# KiCad board diff-probe-x4-v2.kicad_pcb
date: mar. 31 mars 2015
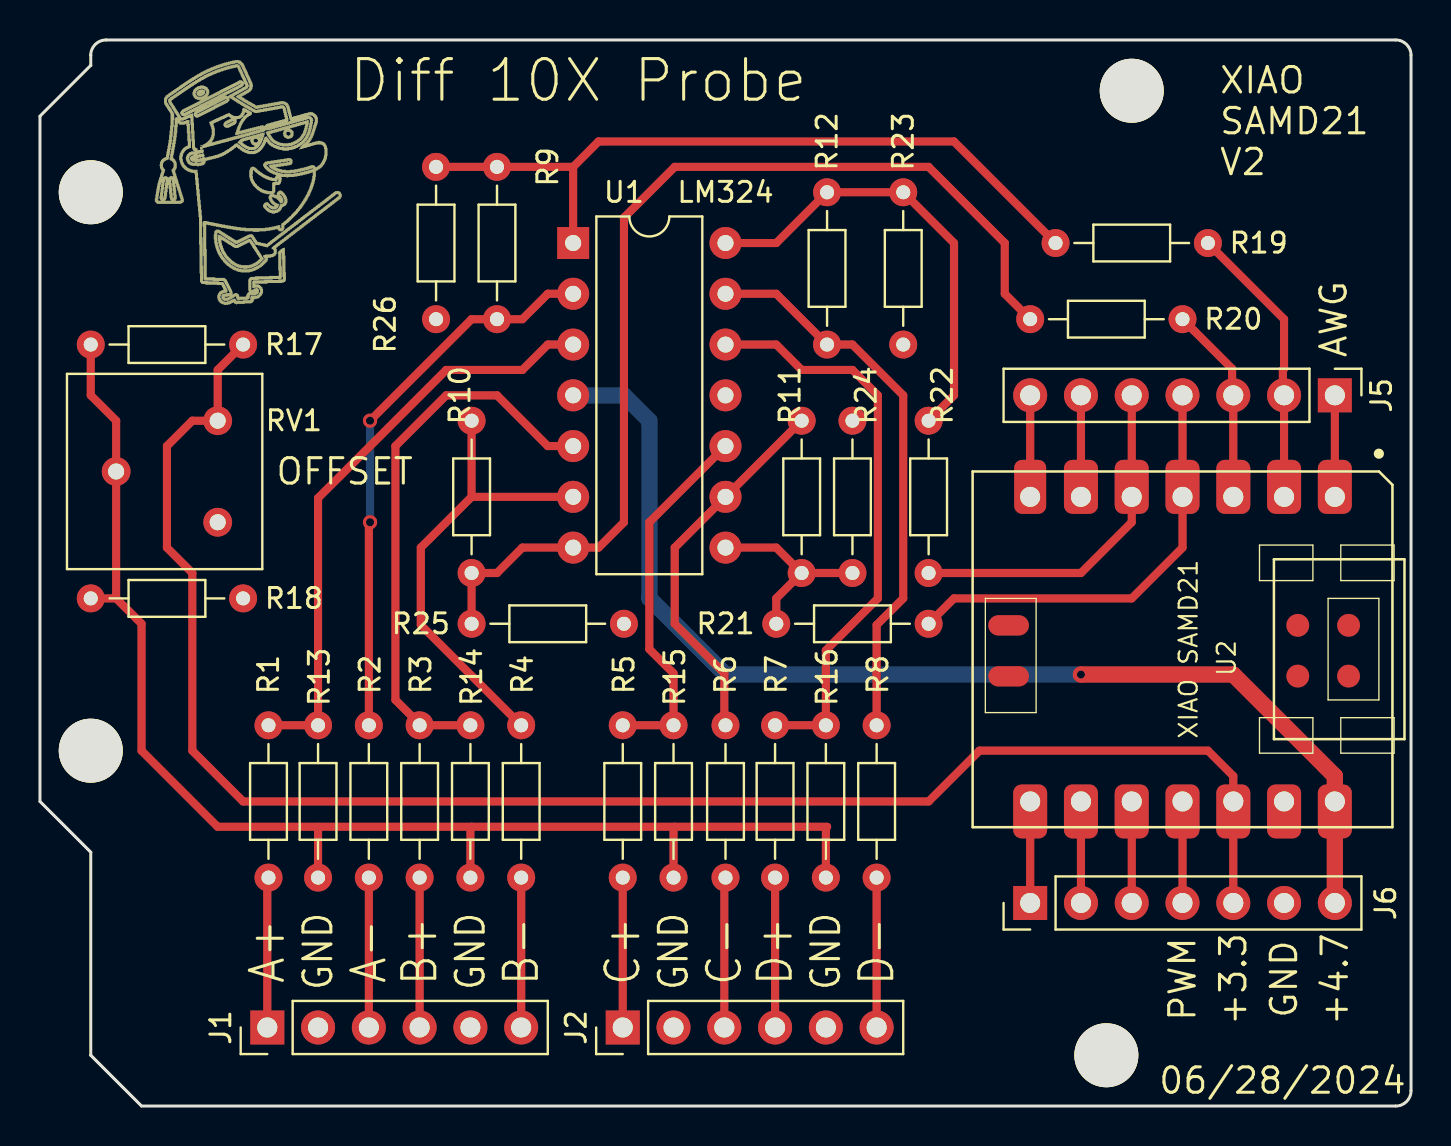
[diagram p0: board, top side]
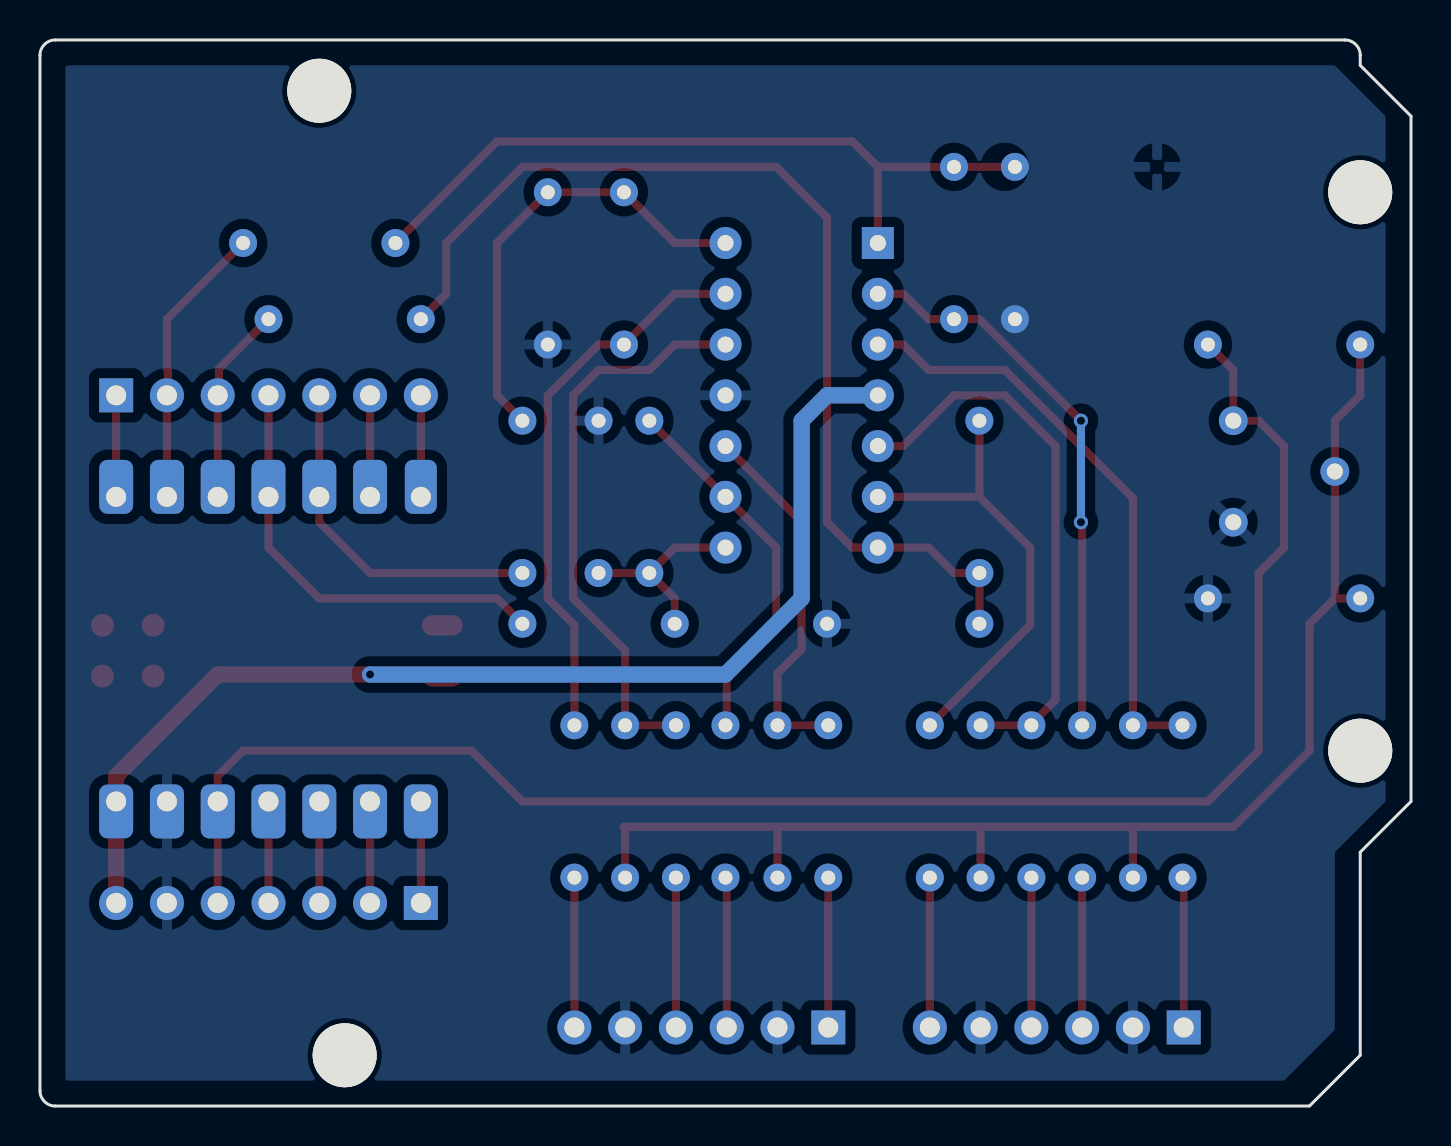
[diagram p1: board, bottom side, seen from below]

Outline 68.58 x 53.34 mm; copper layers: Top, Bottom. Coordinates in mm from the lower left corner of the outline.
Outline path: 0,49.53 2.54,52.07 2.54,52.58 arc(2.76,53.12) 3.3,53.34 67.82,53.34 arc(68.36,53.12) 68.58,52.58 68.58,0.76 arc(68.36,0.22) 67.82,0 5.08,0 2.54,2.54 2.54,12.7 0,15.24 0,49.53
Stack: Top 0.035mm / dielectric 1.51mm FR4 er 4.5 / Bottom 0.035mm

## Placement (name value [footprint] x y rotation side)
J1  Conn_01x06_Pin  [PinHeader_1x06_P2.54mm_Vertical]  11.37 3.93 90 top
J2  Conn_01x06_Pin  [PinHeader_1x06_P2.54mm_Vertical]  29.15 3.93 90 top
J5  Conn_01x07_Pin  [PinHeader_1x07_P2.54mm_Vertical]  64.77 35.56 270 top
J6  Conn_01x07_Pin  [PinHeader_1x07_P2.54mm_Vertical]  49.53 10.16 90 top
MH1  -  [MountingHole_3.2mm]  53.34 2.54 180 top
MH2  -  [MountingHole_3.2mm]  54.61 50.8 180 top
MH3  -  [MountingHole_3.2mm]  2.54 17.78 180 top
MH4  -  [MountingHole_3.2mm]  2.54 45.72 180 top
NOREF  -  [Proffessor]  10.16 38.1 0 top
R1  1Meg  [R_Axial_DIN0204_L3.6mm_D1.6mm_P7.62mm_Horizontal]  11.43 19.05 270 top
R2  1Meg  [R_Axial_DIN0204_L3.6mm_D1.6mm_P7.62mm_Horizontal]  16.45 19.05 270 top
R3  1Meg  [R_Axial_DIN0204_L3.6mm_D1.6mm_P7.62mm_Horizontal]  18.99 19.05 270 top
R4  1Meg  [R_Axial_DIN0204_L3.6mm_D1.6mm_P7.62mm_Horizontal]  24.07 19.05 270 top
R5  1Meg  [R_Axial_DIN0204_L3.6mm_D1.6mm_P7.62mm_Horizontal]  29.15 19.05 270 top
R6  1Meg  [R_Axial_DIN0204_L3.6mm_D1.6mm_P7.62mm_Horizontal]  34.29 19.05 270 top
R7  1Meg  [R_Axial_DIN0204_L3.6mm_D1.6mm_P7.62mm_Horizontal]  36.77 19.05 270 top
R8  1Meg  [R_Axial_DIN0204_L3.6mm_D1.6mm_P7.62mm_Horizontal]  41.85 19.05 270 top
R9  100k  [R_Axial_DIN0204_L3.6mm_D1.6mm_P7.62mm_Horizontal]  22.86 46.99 270 top
R10  100k  [R_Axial_DIN0204_L3.6mm_D1.6mm_P7.62mm_Horizontal]  21.59 26.67 90 top
R11  100k  [R_Axial_DIN0204_L3.6mm_D1.6mm_P7.62mm_Horizontal]  38.1 26.67 90 top
R12  100k  [R_Axial_DIN0204_L3.6mm_D1.6mm_P7.62mm_Horizontal]  39.37 45.72 270 top
R13  100k  [R_Axial_DIN0204_L3.6mm_D1.6mm_P7.62mm_Horizontal]  13.91 11.43 90 top
R14  100k  [R_Axial_DIN0204_L3.6mm_D1.6mm_P7.62mm_Horizontal]  21.53 11.43 90 top
R15  100k  [R_Axial_DIN0204_L3.6mm_D1.6mm_P7.62mm_Horizontal]  31.69 11.43 90 top
R16  100k  [R_Axial_DIN0204_L3.6mm_D1.6mm_P7.62mm_Horizontal]  39.31 11.43 90 top
R17  100  [R_Axial_DIN0204_L3.6mm_D1.6mm_P7.62mm_Horizontal]  10.16 38.1 180 top
R18  100  [R_Axial_DIN0204_L3.6mm_D1.6mm_P7.62mm_Horizontal]  2.54 25.4 0 top
R19  220  [R_Axial_DIN0204_L3.6mm_D1.6mm_P7.62mm_Horizontal]  58.42 43.18 180 top
R20  220  [R_Axial_DIN0204_L3.6mm_D1.6mm_P7.62mm_Horizontal]  57.15 39.37 180 top
R21  220  [R_Axial_DIN0204_L3.6mm_D1.6mm_P7.62mm_Horizontal]  44.45 24.13 180 top
R22  220  [R_Axial_DIN0204_L3.6mm_D1.6mm_P7.62mm_Horizontal]  44.45 26.67 90 top
R23  510  [R_Axial_DIN0204_L3.6mm_D1.6mm_P7.62mm_Horizontal]  43.18 45.72 270 top
R24  510  [R_Axial_DIN0204_L3.6mm_D1.6mm_P7.62mm_Horizontal]  40.64 26.67 90 top
R25  510  [R_Axial_DIN0204_L3.6mm_D1.6mm_P7.62mm_Horizontal]  21.59 24.13 0 top
R26  510  [R_Axial_DIN0204_L3.6mm_D1.6mm_P7.62mm_Horizontal]  19.81 46.99 270 top
RV1  500  [Potentiometer_Bourns_3386F_Vertical]  8.89 34.29 180 top
U1  LM324  [DIP-14_W7.62mm]  26.67 43.18 0 top
U2  XIAO SAMD21  [XIAO-MOUDLE14P-SMD-TH]  46.65 31.75 270 top

## Library data of the parts
J1 J2 = -: Description: Generic connector, single row, 01x06, script generated
J5 J6 = -: Description: Generic connector, single row, 01x07, script generated
R1-R26 = -: Description: Resistor, US symbol
RV1 = -: Description: Potentiometer, US symbol
U1 = -: Description: Low-Power, Quad-Operational Amplifiers, DIP-14/SOIC-14/SSOP-14

## Footprints (pads in the part's own frame, mm; a bottom-side part is the same pattern mirrored in y, then rotated)
DIP-14_W7.62mm
  rect 1.6x1.6 hole 0.8: 1(0,0)
  oval 1.6x1.6 hole 0.8: 2(0,-2.54) 3(0,-5.08) 4(0,-7.62) 5(0,-10.16) 6(0,-12.7) 7(0,-15.24) 8(7.62,-15.24) 9(7.62,-12.7) 10(7.62,-10.16) 11(7.62,-7.62) 12(7.62,-5.08) 13(7.62,-2.54) 14(7.62,0)
MountingHole_3.2mm
  round 3.2 hole 3.2 unplated: (0,0)
PinHeader_1x06_P2.54mm_Vertical
  rect 1.7x1.7 hole 1: 1(0,0)
  oval 1.7x1.7 hole 1: 2(0,-2.54) 3(0,-5.08) 4(0,-7.62) 5(0,-10.16) 6(0,-12.7)
PinHeader_1x07_P2.54mm_Vertical
  rect 1.7x1.7 hole 1: 1(0,0)
  oval 1.7x1.7 hole 1: 2(0,-2.54) 3(0,-5.08) 4(0,-7.62) 5(0,-10.16) 6(0,-12.7) 7(0,-15.24)
Potentiometer_Bourns_3386F_Vertical
  round 1.44 hole 0.8: 1(0,0) 2(5.08,2.54) 3(0,5.08)
R_Axial_DIN0204_L3.6mm_D1.6mm_P7.62mm_Horizontal
  round 1.4 hole 0.7: 1(0,0)
  oval 1.4x1.4 hole 0.7: 2(7.62,0)
XIAO-MOUDLE14P-SMD-TH
  rrect 2.7x1.7 hole 1: 1(1.27,18.118) 2(1.27,15.578) 3(1.27,13.038) 4(1.27,10.498) 5(1.27,7.958) 6(1.27,5.418) 8(16.51,2.878) 9(16.51,5.418) 10(16.51,7.958) 11(16.51,10.498) 12(16.51,13.038) 13(16.51,15.578) 14(16.51,18.118)
  rrect 2.7x1.6 hole 1: 7(1.27,2.878)
  oval 1.016x2.032 smd: 15(7.7,1.8) 16(10.25,1.8)
  round 1.143 smd: 17(7.699,18.804) 18(10.239,18.804) 19(7.699,16.264) 20(10.239,16.264)

## Nets
GND: J1.2 J1.5 J2.2 J2.5 J6.6 R18.2 R23.2 R24.2 R25.2 R26.2 RV1.3 U1.11 U2.13
Net-(J1-Pin_1): J1.1 R1.2
Net-(J1-Pin_3): J1.3 R2.2
Net-(J1-Pin_4): J1.4 R3.2
Net-(J1-Pin_6): J1.6 R4.2
Net-(J2-Pin_1): J2.1 R5.2
Net-(J2-Pin_3): J2.3 R6.2
Net-(J2-Pin_4): J2.4 R7.2
Net-(J2-Pin_6): J2.6 R8.2
Net-(J5-Pin_1): J5.1 U2.1
Net-(J5-Pin_2): J5.2 R19.1 U2.2
Net-(J5-Pin_3): J5.3 R20.1 U2.3
Net-(J5-Pin_4): J5.4 R21.1 U2.4
Net-(J5-Pin_5): J5.5 R22.1 U2.5
Net-(J5-Pin_6): J5.6 U2.6
Net-(J5-Pin_7): J5.7 U2.7
Net-(J6-Pin_1): J6.1 U2.8
Net-(J6-Pin_2): J6.2 U2.9
Net-(J6-Pin_3): J6.3 U2.10
Net-(J6-Pin_4): J6.4 U2.11
Net-(J6-Pin_5): J6.5 R17.1 RV1.1 U2.12
Net-(J6-Pin_7): J6.7 U1.4 U2.14
Net-(R10-Pad1): R10.1 R20.2 R25.1 U1.7
Net-(R11-Pad1): R11.1 R21.2 R24.1 U1.8
Net-(R12-Pad1): R12.1 R22.2 R23.1 U1.14
Net-(R13-Pad1): R13.1 R14.1 R15.1 R16.1 R17.2 R18.1 RV1.2
Net-(R19-Pad2): R9.1 R19.2 R26.1 U1.1
Net-(U1A-+): R1.1 R13.2 U1.3
Net-(U1A--): R2.1 R9.2 U1.2
Net-(U1B-+): R3.1 R14.2 U1.5
Net-(U1B--): R4.1 R10.2 U1.6
Net-(U1C-+): R5.1 R15.2 U1.10
Net-(U1C--): R6.1 R11.2 U1.9
Net-(U1D-+): R7.1 R16.2 U1.12
Net-(U1D--): R8.1 R12.2 U1.13

Pads without a net: U2 15 16 17 18 19 20

## Via types
v1: diameter 0.8, hole 0.4, Top to Bottom, 1 via
v2: diameter 0.711, hole 0.406, Top to Bottom, 2 vias

## Routing (per net, layer and track width the routed paths; a pad name or vN(x,y) marks a point on that pad's centre or on a via; arc(x,y) is an arc through that point)
Net-(J1-Pin_1): length 7.6
  Top w0.406: 11.37,11.55 J1.1
Net-(J1-Pin_3): length 7.6
  Top w0.406: 16.45,11.55 J1.3
Net-(J1-Pin_4): length 7.6
  Top w0.406: 18.99,11.55 J1.4
Net-(J1-Pin_6): length 7.6
  Top w0.406: 24.07,11.55 J1.6
Net-(J2-Pin_1): length 7.6
  Top w0.406: 29.15,11.55 J2.1
Net-(J2-Pin_3): length 7.6
  Top w0.406: 34.23,11.55 J2.3
Net-(J2-Pin_4): length 7.6
  Top w0.406: 36.77,11.55 J2.4
Net-(J2-Pin_6): length 7.6
  Top w0.406: 41.85,11.55 J2.6
Net-(J5-Pin_1): length 5.1
  Top w0.406: J5.1 U2.1
Net-(J5-Pin_2): length 14.3
  Top w0.406: 62.17,35.56 62.17,36.83 62.23,36.89 62.23,39.37 R19.1 ; J5.2 U2.2
Net-(J5-Pin_3): length 10.8
  Top w0.406: 57.78,38.73 R20.1 59.63,36.89 59.63,35.56 ; J5.3 U2.3
Net-(J5-Pin_4): length 21.9
  Top w0.406: J5.4 U2.4 57.15,27.94 54.61,25.4 45.72,25.4 R21.1
Net-(J5-Pin_5): length 17.6
  Top w0.406: R22.1 52.07,26.67 54.61,29.21 U2.5 J5.5
Net-(J5-Pin_6): length 5.1
  Top w0.406: J5.6 U2.6
Net-(J5-Pin_7): length 5.1
  Top w0.406: J5.7 U2.7
Net-(J6-Pin_1): length 5.1
  Top w0.406: U2.8 J6.1
Net-(J6-Pin_2): length 5.1
  Top w0.406: U2.9 J6.2
Net-(J6-Pin_3): length 5.1
  Top w0.406: U2.10 J6.3
Net-(J6-Pin_4): length 5.1
  Top w0.406: U2.11 J6.4
Net-(J6-Pin_5): length 84.2
  Top w0.406: J6.5 U2.12 59.69,16.51 58.42,17.78 46.99,17.78 44.45,15.24 10.16,15.24 7.62,17.78 7.62,26.67 6.35,27.94 6.35,33.02 7.62,34.29 RV1.1 8.89,36.83 R17.1
Net-(J6-Pin_7): length 57.5
  Top w0.813: v1(52.07,21.59) 59.69,21.59 64.77,16.51 U2.14 J6.7
  Bottom w0.813: v1(52.07,21.59) 34.29,21.59 30.48,25.4 30.48,34.29 29.21,35.56 U1.4
Net-(R10-Pad1): length 52.5
  Top w0.406: R20.2 48.26,40.64 48.26,43.18 44.45,46.99 31.75,46.99 29.21,44.45 29.21,29.21 27.94,27.94 U1.7 24.13,27.94 22.86,26.67 R10.1 R25.1
Net-(R11-Pad1): length 9.9
  Top w0.406: R11.1 36.83,27.94 U1.8 ; R11.1 R24.1 ; R11.1 36.83,25.4 R21.2
Net-(R12-Pad1): length 23
  Top w0.406: R22.2 45.72,35.56 45.72,43.18 R23.1 R12.1 36.83,43.18 U1.14
Net-(R13-Pad1): length 68.3
  Top w0.406: 21.59,13.97 13.97,13.97 13.91,13.91 ; 21.59,13.97 31.75,13.97 ; 21.59,13.97 21.53,13.91 21.53,11.55 ; 31.75,13.97 39.37,13.97 39.31,13.91 39.31,11.55 ; 31.75,13.97 31.69,13.91 31.69,11.55 ; 3.81,25.4 5.08,24.13 5.08,17.78 8.89,13.97 13.85,13.97 13.91,13.91 ; 3.81,25.4 RV1.2 3.81,34.29 2.54,35.56 R17.2 ; 3.81,25.4 R18.1 ; 13.91,13.91 13.91,11.55
Net-(R19-Pad2): length 37.4
  Top w0.406: 26.67,46.99 U1.1 ; 26.67,46.99 27.94,48.26 45.72,48.26 R19.2 ; 26.67,46.99 R26.1
Net-(U1A-+): length 29.8
  Top w0.406: R1.1 R13.2 13.91,30.42 20.32,36.83 24.13,36.83 25.4,38.1 U1.3
Net-(U1A--): length 28.1
  Top w0.406: U1.2 25.4,40.64 24.13,39.37 21.59,39.37 v2(16.51,34.29) ; R2.1 16.45,29.15 v2(16.51,29.21)
  Bottom w0.406: v2(16.51,29.21) v2(16.51,34.29)
Net-(U1B-+): length 28
  Top w0.406: 21.53,19.17 21.41,19.05 19.05,19.05 17.78,20.32 17.78,33.02 20.32,35.56 22.86,35.56 25.4,33.02 U1.5
Net-(U1B--): length 23.5
  Top w0.406: U1.6 21.59,30.48 ; 21.59,30.48 R10.2 ; 21.59,30.48 19.05,27.94 19.05,24.07 R4.1 24.13,19.05
Net-(U1C-+): length 18.5
  Top w0.406: U1.10 30.48,29.21 30.48,22.86 31.69,21.65 31.69,19.17 31.57,19.05 R5.1
Net-(U1C--): length 18.9
  Top w0.406: R6.1 34.23,19.11 34.23,21.65 31.75,24.13 31.75,27.94 U1.9 R11.2
Net-(U1D-+): length 28.8
  Top w0.406: R7.1 R16.2 39.31,22.8 41.91,25.4 41.91,35.56 40.64,36.83 38.1,36.83 36.83,38.1 U1.12
Net-(U1D--): length 28.1
  Top w0.406: R8.1 41.85,24.07 43.18,25.4 43.18,35.56 40.64,38.1 R12.2 36.83,40.64 U1.13

## Copper pours and planes (outline as drawn; the poured copper is in the pictures)
GND on Bottom: 6.35,1.27 3.81,3.81 3.81,12.7 1.27,15.24 1.27,49.53 3.81,52.07 67.31,52.07 67.31,1.27

## Text on the board
F.Silkscreen: 06/28/2024 | XIAO / SAMD21 / V2 | OFFSET | PWM | +3.3 | GND | AWG | +4.7 | A+ | A- | B+ | B- | C+ | C- | D+ | D- | Diff 10X Probe
